# Allegro board AX7021B.brd (continued)
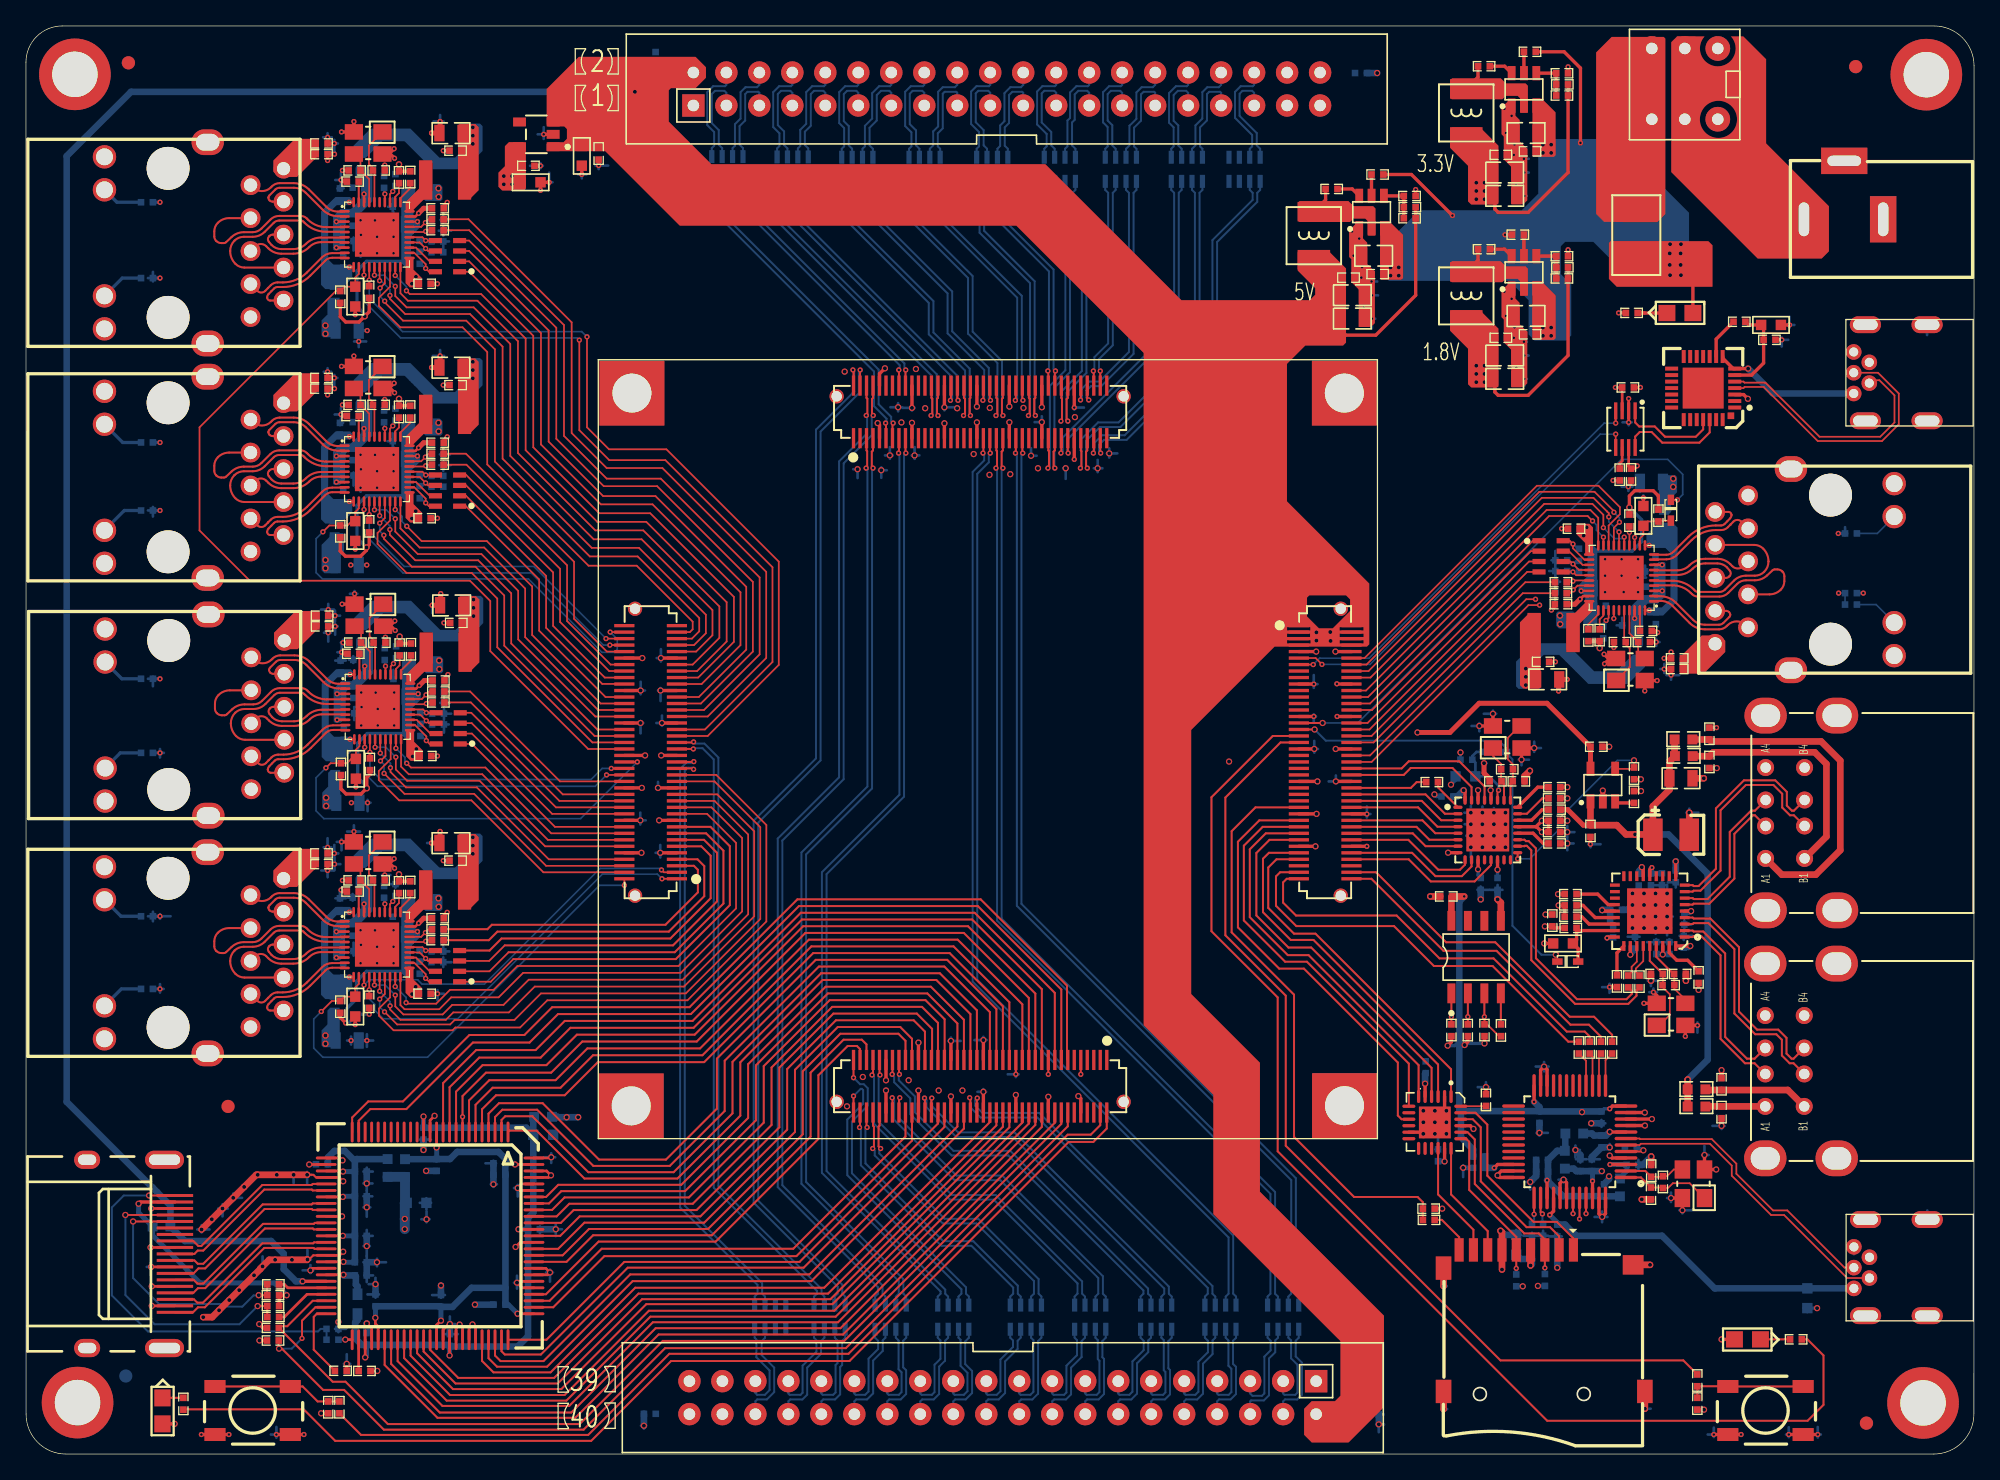
[diagram p0: board, top side]
## Placement (name value [footprint] x y rotation side) (continued)
R1047  4.7K  [R0402]  27.58 43.3 90 bottom
R1048  33R  [R0402]  31.72 40.43 0 top
R1049  33R  [R0402]  31.72 39.58 0 top
R1050  2.49K/1%  [R0402]  25.17 43.33 0 top
R1051  510R  [R0402]  9.32 35.83 0 bottom
R1052  510R  [R0402]  9.32 41.42 0 bottom
R1053  NC  [R0402]  31.68 37.89 180 bottom
R1054  NC  [R0402]  31.68 38.72 180 bottom
R1055  4.7K  [R0402]  29.85 38.76 180 bottom
R1056  4.7K  [R0402]  29.85 37.93 180 bottom
R1057  4.7K  [R0402]  29.86 36.99 180 bottom
R1058  4.7K  [R0402]  31.68 40.37 180 bottom
R1059  4.7K  [R0402]  31.68 39.54 180 bottom
R1060  100K/1%  [R0402]  24.2 34.44 270 top
R1061  4.7K  [R0402]  29.59 43.66 270 top
R1062  4.7K  [R0402]  28.78 61.97 90 top
R1063  4.7K  [R0402]  28.5 61.76 90 bottom
R1064  4.7K  [R0402]  27.63 61.62 90 bottom
R1065  33R  [R0402]  31.77 57.89 0 top
R1066  33R  [R0402]  31.77 58.74 0 top
R1067  2.49K/1%  [R0402]  25.22 61.64 0 top
R1068  510R  [R0402]  9.32 54.01 0 bottom
R1069  510R  [R0402]  9.32 59.71 0 bottom
R1070  NC  [R0402]  31.73 56.2 180 bottom
R1071  NC  [R0402]  31.73 57.03 180 bottom
R1072  4.7K  [R0402]  29.9 57.08 180 bottom
R1073  4.7K  [R0402]  29.9 56.24 180 bottom
R1074  4.7K  [R0402]  29.91 55.31 180 bottom
R1075  4.7K  [R0402]  31.73 58.69 180 bottom
R1076  4.7K  [R0402]  31.73 57.86 180 bottom
R1077  100K/1%  [R0402]  24.25 52.75 270 top
R1078  4.7K  [R0402]  29.64 61.97 270 top
R1079  1.5K  [R0402]  26.48 53.13 270 top
R1080  4.7K  [R0402]  28.72 80.29 90 top
R1081  4.7K  [R0402]  28.45 80.07 90 bottom
R1082  4.7K  [R0402]  27.58 79.93 90 bottom
R1083  33R  [R0402]  31.72 76.21 0 top
R1084  33R  [R0402]  31.72 77.05 0 top
R1085  2.49K/1%  [R0402]  25.17 79.95 0 top
R1086  510R  [R0402]  9.32 72.68 0 bottom
R1087  510R  [R0402]  9.32 77.92 0 bottom
R1088  NC  [R0402]  31.68 74.51 180 bottom
R1089  NC  [R0402]  31.68 75.34 180 bottom
R1090  4.7K  [R0402]  29.85 75.39 180 bottom
R1091  4.7K  [R0402]  29.85 74.56 180 bottom
R1092  4.7K  [R0402]  29.86 73.62 180 bottom
R1093  4.7K  [R0402]  31.68 77 180 bottom
R1094  4.7K  [R0402]  31.68 76.17 180 bottom
R1095  100K/1%  [R0402]  24.2 71.07 270 top
R1096  4.7K  [R0402]  29.59 80.29 270 top
R1097  1.5K  [R0402]  26.43 71.45 270 top
R1098  4.7K  [R0402]  28.72 98.35 90 top
R1099  4.7K  [R0402]  28.45 98.13 90 bottom
R1100  4.7K  [R0402]  27.58 97.99 90 bottom
R1101  33R  [R0402]  31.72 95.11 0 top
R1102  33R  [R0402]  31.72 94.27 0 top
R1103  2.49K/1%  [R0402]  25.17 98.01 0 top
R1104  510R  [R0402]  9.32 90.58 0 bottom
R1105  510R  [R0402]  9.32 96.42 0 bottom
R1106  NC  [R0402]  31.68 93.4 180 bottom
R1107  NC  [R0402]  31.68 92.57 180 bottom
R1108  4.7K  [R0402]  29.85 92.62 180 bottom
R1109  4.7K  [R0402]  29.85 93.45 180 bottom
R1110  4.7K  [R0402]  29.86 91.68 180 bottom
R1111  4.7K  [R0402]  31.68 95.06 180 bottom
R1112  4.7K  [R0402]  31.68 94.23 180 bottom
R1113  100K/1%  [R0402]  24.2 89.13 270 top
R1114  1.5K  [R0402]  26.43 89.51 270 top
R1115  4.7K  [R0402]  29.59 98.35 270 top
RN1  33R  [RN-8P]  95.61 11.47 270 bottom
RN2  33R  [RN-8P]  55.21 98.08 90 bottom
RN3  33R  [RN-8P]  90.78 11.47 270 bottom
RN4  33R  [RN-8P]  60.24 98.05 90 bottom
RN5  33R  [RN-8P]  85.83 11.47 270 bottom
RN6  33R  [RN-8P]  65.22 98.03 90 bottom
RN7  33R  [RN-8P]  80.75 11.47 270 bottom
RN8  33R  [RN-8P]  70.4 98.03 90 bottom
RN9  33R  [RN-8P]  75.8 11.47 270 bottom
RN10  33R  [RN-8P]  75.61 98.03 90 bottom
RN11  33R  [RN-8P]  70.21 11.47 270 bottom
RN12  33R  [RN-8P]  80.81 98.03 90 bottom
RN13  33R  [RN-8P]  65.38 11.47 270 bottom
RN14  33R  [RN-8P]  85.51 98.03 90 bottom
RN15  33R  [RN-8P]  60.68 11.47 270 bottom
RN16  33R  [RN-8P]  90.59 98.03 90 bottom
RN17  33R  [RN-8P]  56.11 11.47 270 bottom
RN18  33R  [RN-8P]  95.04 98.03 90 bottom
RN19  33R  [RN-8P]  116.51 70.35 0 top
RN20  33R  [RN-8P]  33.39 36.38 180 top
RN21  33R  [RN-8P]  33.44 54.7 180 top
RN22  33R  [RN-8P]  33.39 73.01 180 top
RN23  33R  [RN-8P]  33.39 91.07 180 top
SW1  SW  [KEY_DPDT]  130.28 108.27 270 top
TP2  NC  [MARK]  111.73 98.91 90 top
TP3  NC  [MARK]  111.73 84.82 90 top
TP4  NC  [MARK]  100 89.45 90 top
U1  FT232HL  [LQFP-48]  118.88 24.05 90 top
U2  93LC56BISN  [SO8]  109.76 35.48 90 top
U3  CP2102-GM  [QFN-28]  129.15 82.11 180 top
U4  TXS0102DCU  [VSSOP8]  123.17 78.94 180 top
U5  TXS02612RTWR  [WQFN-24_EP]  108.49 25.54 270 top
U6  JL2121-N040I  [QFN40-5X5]  125.37 69.99 180 top
U7  -  [USB3320C]  112.57 48.07 0 top
U8  TPS2051BDBV  [SOT23-5]  121.43 51.53 0 top
U9  SiI9134  [QFP-100]  31.12 16.8 270 top
U10  JL2121-N040I  [QFN40-5X5]  24.53 36.74 0 top
U11  JL2121-N040I  [QFN40-5X5]  24.58 55.05 0 top
U12  JL2121-N040I  [QFN40-5X5]  24.53 73.37 0 top
U13  JL2121-N040I  [QFN40-5X5]  24.53 91.43 0 top
U18  USB2514  [QFN-37]  125.04 41.82 90 top
U19  SPX3819M5-3-3  [SOT-23-5]  39.3 101.65 90 top
U20  ETA1471FT2G  [SOT23-6]  103.62 95.66 0 top
U53  ETA1471FT2G  [SOT23-6]  115.35 91.02 0 top
U54  ETA1471FT2G  [SOT23-6]  115.35 105.11 0 top
Y1  12MHZ  [OSC3225]  128.4 20.82 90 top
Y3  24MHZ  [OSC3225]  114.06 55.23 0 top
Y4  25MHZ  [OSC3225]  26.35 46.3 180 top
Y8  24MHZ  [OSC3225]  126.68 33.87 0 top
Y9  25MHZ  [OSC3225]  123.55 60.43 0 top
Y10  25MHZ  [OSC3225]  26.4 64.62 180 top
Y11  25MHZ  [OSC3225]  26.35 82.93 180 top
Y12  25MHZ  [OSC3225]  26.35 100.99 180 top

## Library data of the parts
C1-C5 C8-C17 C22-C25 C52-C62 C64 C65 C81 C186-C193 C221-C244 C615-C619 C621-C625 C627-C631 C675 C676 C1483-C1510 C1513-C1527 C1530-C1544 C1547-C1561 = CAP NP
C63 = CAP POL
C66-C80 C620 C626 C632 C670-C672 = C_1
C673 C674 C1511 C1512 C1528 C1529 C1545 C1546 C1562 C1563 = CAP_3
CN1 = AJ243_0
CON1 = CON40X2_0_0
CON2 = CON40X2_0_1
CON3 = CON40X2_0_2
CON4 = CON40X2_0_3
D2 D3 D35 = BZX84C36/SOT_0
F1 = FUSE/SM
F2 = FUSE
H1-H4 HOLE1-HOLE4 = TEST POINT
J1 J2 = USB_B_3
J3 = Micro SD_1
J4 J10-J13 = GE_RJ45_2
J5 J6 = DUAL USB
J9 = HDMI Connector_0
J15 J16 = HEADER 20x2/M
KEY1 KEY2 = Button_0
L1-L3 L7-L9 L26 L27 L29 L30 L62-L81 = INDUCTOR
L39-L41 = CHOKE RF-IRON_0
LED1 LED2 = LN211WP
LED9 = LED
R3-R12 R16-R20 R36-R42 R119 R121 R123 R129 R131 R133 R137 R150-R159 R162-R164 R316 R317 R319 R320 R323 R324 R1025-R1043 R1045-R1115 = RESISTOR
R43-R54 = R_0
R160 = RESISTOR_0
R318 R325 R326 = 100K
RN1-RN16 RN18-RN23 = RESARR_IS_4/SM
RN17 = RESARR_IS_4/SM: signal model: RESARR_IS_4/SM_RN-8P_33R_33R
SW1 = SW KEY-DPDT
TP2-TP4 = TP
U1 = FT232HL_0
U2 = 93LC56BISN_0
U3 = CP2102_2
U4 = TXS0102DCU_1
U5 = TXS02612RTWR_0
U6 U10-U13 = JL2121D-N040I_0
U7 = USB3320C-EZK_6
U8 = TPS2051BDBV
U9 = SiI9134_0
U18 = USB2514_0
U19 = SPX3819M5-2-5
U20 U53 U54 = ETA1471FT2G
Y1 Y3 Y4 Y8-Y12 = X3_0

## Footprints (pads in the part's own frame, mm; a bottom-side part is the same pattern mirrored in y, then rotated)
AXK680337YG
  rect 0.25x1.55 smd: 1(-9.75,-2.025) 2(-9.75,2.025) 3(-9.25,-2.025) 4(-9.25,2.025) 5(-8.75,-2.025) 6(-8.75,2.025) 7(-8.25,-2.025) 8(-8.25,2.025) 9(-7.75,-2.025) 10(-7.75,2.025) 11(-7.25,-2.025) 12(-7.25,2.025) 13(-6.75,-2.025) 14(-6.75,2.025) 15(-6.25,-2.025) 16(-6.25,2.025) 17(-5.75,-2.025) 18(-5.75,2.025) 19(-5.25,-2.025) 20(-5.25,2.025) 21(-4.75,-2.025) 22(-4.75,2.025) 23(-4.25,-2.025) 24(-4.25,2.025) 25(-3.75,-2.025) 26(-3.75,2.025) 27(-3.25,-2.025) 28(-3.25,2.025) 29(-2.75,-2.025) 30(-2.75,2.025) 31(-2.25,-2.025) 32(-2.25,2.025) 33(-1.75,-2.025) 34(-1.75,2.025) 35(-1.25,-2.025) 36(-1.25,2.025) 37(-0.75,-2.025) 38(-0.75,2.025) 39(-0.25,-2.025) 40(-0.25,2.025) 41(0.25,-2.025) 42(0.25,2.025) 43(0.75,-2.025) 44(0.75,2.025) 45(1.25,-2.025) 46(1.25,2.025) 47(1.75,-2.025) 48(1.75,2.025) 49(2.25,-2.025) 50(2.25,2.025) 51(2.75,-2.025) 52(2.75,2.025) 53(3.25,-2.025) 54(3.25,2.025) 55(3.75,-2.025) 56(3.75,2.025) 57(4.25,-2.025) 58(4.25,2.025) 59(4.75,-2.025) 60(4.75,2.025) 61(5.25,-2.025) 62(5.25,2.025) 63(5.75,-2.025) 64(5.75,2.025) 65(6.25,-2.025) 66(6.25,2.025) 67(6.75,-2.025) 68(6.75,2.025) 69(7.25,-2.025) 70(7.25,2.025) 71(7.75,-2.025) 72(7.75,2.025) 73(8.25,-2.025) 74(8.25,2.025) 75(8.75,-2.025) 76(8.75,2.025) 77(9.25,-2.025) 78(9.25,2.025) 79(9.75,-2.025) 80(9.75,2.025)
  round 1.1 hole 0.8: 81(-11.05,1.2) 82(11.05,1.2)
C0402
  rect 0.508x0.508 smd: 1(-0.457,0) 2(0.457,0)
C0603
  rect 0.8x0.8 smd: 1(-0.762,0) 2(0.762,0)
C0805
  rect 0.787x1.27 smd: 1(-0.889,0) 2(0.889,0)
CN1-DCJACK
  rect 3.556x2.032 hole 2.6x0.8: 1(0,0) 3(0,6.1)
  rect 2.032x3.556 hole 0.8x2.6: 2(4.5,2.997)
DUAL_USB
  round 1.308 hole 0.8: A1(-3.5,2.75) A2(-1,2.75) A3(1,2.75) A4(3.5,2.75) B1(-3.5,-0.25) B2(-1,-0.25) B3(1,-0.25) B4(3.5,-0.25)
  oval 2.754x3.262 hole 1.738x2.246: S1(-7.5,2.75) S2(-7.5,-2.75) S3(7.5,2.75) S4(7.5,-2.75)
FPAD_1
  rect 5x5 hole 3: 1(0,0)
FUSE_1812
  rect 1.829x3.251 smd: 1(-1.93,0) 2(1.93,0)
GE_RJ45
  round 3.3 hole 3.3 unplated: (0,11.48) (0,0)
  round 1.8 hole 1.3: 11(4.9,-0.885) 12(4.9,1.655) 13(4.9,9.825) 14(4.9,12.365)
  oval 2.489x1.981 hole 1.8x1.292: 15(-3.05,-2.01) 16(-3.05,13.49)
  round 1.524 hole 1.016: P1(-8.89,0.025) P2(-6.35,1.295) P3(-8.89,2.565) P4(-6.35,3.835) P5(-8.89,5.105) P6(-6.35,6.375) P7(-8.89,7.645) P8(-6.35,8.915) P9(-8.89,10.185) P10(-6.35,11.455)
HDMI_A_TYPE
  rect 2.8x0.229 smd: 1(-1.15,-12) 2(-1.15,-11.5) 3(-1.15,-11) 4(-1.15,-10.5) 5(-1.15,-10) 6(-1.15,-9.5) 7(-1.15,-9) 8(-1.15,-8.5) 9(-1.15,-8) 10(-1.15,-7.5) 11(-1.15,-7) 12(-1.15,-6.5) 13(-1.15,-6) 14(-1.15,-5.5) 15(-1.15,-5) 16(-1.15,-4.5) 17(-1.15,-4) 18(-1.15,-3.5) 19(-1.15,-3)
  oval 3x1.4 hole 2.4x0.8: 20(-1.95,-14.75) 21(-1.95,-0.25)
  oval 2x1.4 hole 1.4x0.8: 22(-7.91,-14.75) 23(-7.91,-0.25)
HOLE
  round 5.516 hole 3.5: 1(0,0)
IDC-40J
  rect 1.727x1.727 hole 0.889: 1(-24.13,-1.27)
  round 1.727 hole 0.889: 2(-24.13,1.27) 3(-21.59,-1.27) 4(-21.59,1.27) 5(-19.05,-1.27) 6(-19.05,1.27) 7(-16.51,-1.27) 8(-16.51,1.27) 9(-13.97,-1.27) 10(-13.97,1.27) 11(-11.43,-1.27) 12(-11.43,1.27) 13(-8.89,-1.27) 14(-8.89,1.27) 15(-6.35,-1.27) 16(-6.35,1.27) 17(-3.81,-1.27) 18(-3.81,1.27) 19(-1.27,-1.27) 20(-1.27,1.27) 21(1.27,-1.27) 22(1.27,1.27) 23(3.81,-1.27) 24(3.81,1.27) 25(6.35,-1.27) 26(6.35,1.27) 27(8.89,-1.27) 28(8.89,1.27) 29(11.43,-1.27) 30(11.43,1.27) 31(13.97,-1.27) 32(13.97,1.27) 33(16.51,-1.27) 34(16.51,1.27) 35(19.05,-1.27) 36(19.05,1.27) 37(21.59,-1.27) 38(21.59,1.27) 39(24.13,-1.27) 40(24.13,1.27)
KEY_4X4X1_5
  rect 1.626x1 smd: 1(-2.9,1.85) 2(2.9,1.85) 3(-2.9,-1.85) 4(2.9,-1.85)
KEY_DPDT
  round 1.905 hole 0.889: 1(0,0) 2(0,-2.54) 3(0,-5.08) 4(5.45,0) 5(5.45,-2.54) 6(5.45,-5.08)
L4_4X4_2
  rect 2.5x1.5 smd: 1(0,1.85) 2(0,-1.85)
L0603
  rect 0.762x0.762 smd: 1(-0.686,0) 2(0.686,0)
LED0805
  rect 1.25x1.3 smd: 1(0,1) 2(0,-1)
LQFP-48
  oval 0.254x1.753 smd: 1(-2.75,-4.327) 2(-2.25,-4.327) 3(-1.75,-4.327) 4(-1.25,-4.327) 5(-0.75,-4.327) 6(-0.25,-4.327) 7(0.25,-4.327) 8(0.75,-4.327) 9(1.25,-4.327) 10(1.75,-4.327) 11(2.25,-4.327) 12(2.75,-4.327) 25(2.75,4.327) 26(2.25,4.327) 27(1.75,4.327) 28(1.25,4.327) 29(0.75,4.327) 30(0.25,4.327) 31(-0.25,4.327) 32(-0.75,4.327) 33(-1.25,4.327) 34(-1.75,4.327) 35(-2.25,4.327) 36(-2.75,4.327)
  oval 1.753x0.254 smd: 13(4.327,-2.75) 14(4.327,-2.25) 15(4.327,-1.75) 16(4.327,-1.25) 17(4.327,-0.75) 18(4.327,-0.25) 19(4.327,0.25) 20(4.327,0.75) 21(4.327,1.25) 22(4.327,1.75) 23(4.327,2.25) 24(4.327,2.75) 37(-4.327,2.75) 38(-4.327,2.25) 39(-4.327,1.75) 40(-4.327,1.25) 41(-4.327,0.75) 42(-4.327,0.25) 43(-4.327,-0.25) 44(-4.327,-0.75) 45(-4.327,-1.25) 46(-4.327,-1.75) 47(-4.327,-2.25) 48(-4.327,-2.75)
LVS303010
  rect 3.023x1.016 smd: 1(0,-0.5) 2(0,2.5)
MARK
  round 1 smd: 1(0,0)
MICRO_SD
  rect 0.7x1.8 smd: 1(0,0) 2(-1.1,0) 3(-2.2,0) 4(-3.3,0) 5(-4.4,0) 6(-5.5,0) 7(-6.6,0) 8(-7.7,0) 9(-8.8,0)
  rect 1.6x1.5 smd: 10(4.6,-1.15)
  rect 1.2x1.8 smd: 11(-10,-1.4) 12(-10,-10.9) 13(5.5,-10.9)
MINI_USB_DIP
  round 1.2 hole 0.7: 1(-1.6,0.9) 2(-0.8,-0.3) 3(0,0.9) 4(0.8,-0.3) 5(1.6,0.9)
  oval 1.3x2.4 hole 0.8x1.9: 6(-3.7,0) 7(3.7,0) 8(-3.7,-4.75) 9(3.7,-4.75)
OSC3225
  rect 1.397x1.194 smd: 1(-1.1,-0.85) 2(1.1,-0.85) 3(1.1,0.85) 4(-1.1,0.85)
QFN40-5X5
  oval 0.8x0.2 smd: 1(0,4.3) 2(0,3.9) 3(0,3.5) 4(0,3.1) 5(0,2.7) 6(0,2.3) 7(0,1.9) 8(0,1.5) 9(0,1.1) 10(0,0.7) 21(5,0.7) 22(5,1.1) 23(5,1.5) 24(5,1.9) 25(5,2.3) 26(5,2.7) 27(5,3.1) 28(5,3.5) 29(5,3.9) 30(5,4.3)
  oval 0.2x0.8 smd: 11(0.7,0) 12(1.1,0) 13(1.5,0) 14(1.9,0) 15(2.3,0) 16(2.7,0) 17(3.1,0) 18(3.5,0) 19(3.9,0) 20(4.3,0) 31(4.3,5) 32(3.9,5) 33(3.5,5) 34(3.1,5) 35(2.7,5) 36(2.3,5) 37(1.9,5) 38(1.5,5) 39(1.1,5) 40(0.7,5)
  rect 3.4x3.4 smd: 41(2.5,2.5)
QFN-28
  rect 1x0.3 smd: 1(-2.43,1.5) 2(-2.43,1) 3(-2.43,0.5) 4(-2.43,0) 5(-2.43,-0.5) 6(-2.43,-1) 7(-2.43,-1.5) 15(2.43,-1.5) 16(2.43,-1) 17(2.43,-0.5) 18(2.43,0) 19(2.43,0.5) 20(2.43,1) 21(2.43,1.5)
  rect 0.3x1 smd: 8(-1.5,-2.43) 9(-1,-2.43) 10(-0.5,-2.43) 11(0,-2.43) 12(0.5,-2.43) 13(1,-2.43) 14(1.5,-2.43) 22(1.5,2.43) 23(1,2.43) 24(0.5,2.43) 25(0,2.43) 26(-0.5,2.43) 27(-1,2.43) 28(-1.5,2.43)
  rect 3.15x3.15 smd: 29(0,0)
  rect 0.508x0.508 smd: 30(-2.134,2.134)
QFN-37
  rect 0.25x0.754 smd: 1(-2,-2.688) 2(-1.5,-2.688) 3(-1,-2.688) 4(-0.5,-2.688) 5(0,-2.688) 6(0.5,-2.688) 7(1,-2.688) 8(1.5,-2.688) 9(2,-2.688) 19(2,2.688) 20(1.5,2.688) 21(1,2.688) 22(0.5,2.688) 23(0,2.688) 24(-0.5,2.688) 25(-1,2.688) 26(-1.5,2.688) 27(-2,2.688)
  rect 0.754x0.25 smd: 10(2.688,-2) 11(2.688,-1.5) 12(2.688,-1) 13(2.688,-0.5) 14(2.688,0) 15(2.688,0.5) 16(2.688,1) 17(2.688,1.5) 18(2.688,2) 28(-2.688,2) 29(-2.688,1.5) 30(-2.688,1) 31(-2.688,0.5) 32(-2.688,0) 33(-2.688,-0.5) 34(-2.688,-1) 35(-2.688,-1.5) 36(-2.688,-2)
  rect 3.5x3.5 smd: 37(0,0)
QFP-100
  oval 1.6x0.22 smd: 1(-8,6) 2(-8,5.5) 3(-8,5) 4(-8,4.5) 5(-8,4) 6(-8,3.5) 7(-8,3) 8(-8,2.5) 9(-8,2) 10(-8,1.5) 11(-8,1) 12(-8,0.5) 13(-8,0) 14(-8,-0.5) 15(-8,-1) 16(-8,-1.5) 17(-8,-2) 18(-8,-2.5) 19(-8,-3) 20(-8,-3.5) 21(-8,-4) 22(-8,-4.5) 23(-8,-5) 24(-8,-5.5) 25(-8,-6) 51(8,-6) 52(8,-5.5) 53(8,-5) 54(8,-4.5) 55(8,-4) 56(8,-3.5) 57(8,-3) 58(8,-2.5) 59(8,-2) 60(8,-1.5) 61(8,-1) 62(8,-0.5) 63(8,0) 64(8,0.5) 65(8,1) 66(8,1.5) 67(8,2) 68(8,2.5) 69(8,3) 70(8,3.5) 71(8,4) 72(8,4.5) 73(8,5) 74(8,5.5) 75(8,6)
  oval 0.22x1.6 smd: 26(-6,-8) 27(-5.5,-8) 28(-5,-8) 29(-4.5,-8) 30(-4,-8) 31(-3.5,-8) 32(-3,-8) 33(-2.5,-8) 34(-2,-8) 35(-1.5,-8) 36(-1,-8) 37(-0.5,-8) 38(0,-8) 39(0.5,-8) 40(1,-8) 41(1.5,-8) 42(2,-8) 43(2.5,-8) 44(3,-8) 45(3.5,-8) 46(4,-8) 47(4.5,-8) 48(5,-8) 49(5.5,-8) 50(6,-8) 76(6,8) 77(5.5,8) 78(5,8) 79(4.5,8) 80(4,8) 81(3.5,8) 82(3,8) 83(2.5,8) 84(2,8) 85(1.5,8) 86(1,8) 87(0.5,8) 88(0,8) 89(-0.5,8) 90(-1,8) 91(-1.5,8) 92(-2,8) 93(-2.5,8) 94(-3,8) 95(-3.5,8) 96(-4,8) 97(-4.5,8) 98(-5,8) 99(-5.5,8) 100(-6,8)
R0402
  rect 0.508x0.508 smd: 1(-0.457,0) 2(0.457,0)
R0603
  rect 0.889x0.762 smd: 1(-0.762,0) 2(0.762,0)
RN-8P
  rect 1x0.4 smd: 1(0,0) 2(0,-0.8) 3(0,-1.6) 4(0,-2.4) 5(1.858,-2.4) 6(1.858,-1.6) 7(1.858,-0.8) 8(1.858,0)
SO8
  rect 1.524x0.61 smd: 1(0,0) 2(0,-1.27) 3(0,-2.54) 4(0,-3.81) 5(5.588,-3.81) 6(5.588,-2.54) 7(5.588,-1.27) 8(5.588,0)
SOD-523
  rect 0.5x0.8 smd: 1(0,-0.8) 2(0,0.8)
SOT23-5
  rect 0.6x1.1 smd: 1(-0.95,-1.25) 2(0,-1.25) 3(0.95,-1.25) 4(0.95,1.25) 5(-0.95,1.25)
SOT23-6
  rect 0.6x1.1 smd: 1(-0.95,-1.25) 2(0,-1.25) 3(0.95,-1.25) 4(0.95,1.25) 5(0,1.25) 6(-0.95,1.25)
SOT-23-5
  rect 0.686x0.991 smd: 1(-0.95,-1.295) 2(0,-1.295) 3(0.95,-1.295) 4(0.95,1.295) 5(-0.95,1.295)
TAN-SMB
  rect 1.5x2.5 smd: 1(1.4,0) 2(-1.4,0)
unnamed#2
  round 1.016 smd: 1(0,0)
USB3320C
  oval 0.711x0.254 smd: 1(-2.3,1.75) 2(-2.3,1.25) 3(-2.3,0.75) 4(-2.3,0.25) 5(-2.3,-0.25) 6(-2.3,-0.75) 7(-2.3,-1.25) 8(-2.3,-1.75) 17(2.3,-1.75) 18(2.3,-1.25) 19(2.3,-0.75) 20(2.3,-0.25) 21(2.3,0.25) 22(2.3,0.75) 23(2.3,1.25) 24(2.3,1.75)
  oval 0.254x0.711 smd: 9(-1.75,-2.3) 10(-1.25,-2.3) 11(-0.75,-2.3) 12(-0.25,-2.3) 13(0.25,-2.3) 14(0.75,-2.3) 15(1.25,-2.3) 16(1.75,-2.3) 25(1.75,2.3) 26(1.25,2.3) 27(0.75,2.3) 28(0.25,2.3) 29(-0.25,2.3) 30(-0.75,2.3) 31(-1.25,2.3) 32(-1.75,2.3)
  rect 3.3x3.3 smd: 33(0,0)
VSSOP8
  rect 0.254x1.295 smd: 1(-0.75,-1.412) 2(-0.25,-1.412) 3(0.25,-1.412) 4(0.75,-1.412) 5(0.75,1.412) 6(0.25,1.412) 7(-0.25,1.412) 8(-0.75,1.412)
WQFN-24_EP
  oval 1x0.25 smd: 1(-2,1.25) 2(-2,0.75) 3(-2,0.25) 4(-2,-0.25) 5(-2,-0.75) 6(-2,-1.25) 13(2,-1.25) 14(2,-0.75) 15(2,-0.25) 16(2,0.25) 17(2,0.75) 18(2,1.25)
  oval 0.25x1 smd: 7(-1.25,-2) 8(-0.75,-2) 9(-0.25,-2) 10(0.25,-2) 11(0.75,-2) 12(1.25,-2) 19(1.25,2) 20(0.75,2) 21(0.25,2) 22(-0.25,2) 23(-0.75,2) 24(-1.25,2)
  rect 2.45x2.45 smd: 25(0,0)

## Nets
GND: C1.2 C2.2 C3.1 C4.1 C5.2 C8.2 C9.2 C10.2 C11.2 C12.2 C13.2 C14.2 C15.2 C16.2 C17.2 C22.2 C23.2 C24.2 C25.2 C52.2 C53.2 C54.2 C55.2 C56.2 C57.2 C58.1 C59.1 C60.1 C61.2 C62.2 C63.2 C64.2 C65.2 C66.2 C67.2 C68.2 C69.2 C70.2 C71.2 C72.2 C73.2 C74.2 C75.2 C76.1 C77.2 C78.2 C79.2 C80.2 C81.2 C186.2 C187.2 C188.2 C189.2 C190.2 C191.2 C192.2 C193.2 C221.2 C222.2 C223.2 C224.2 C225.2 C226.2 C227.2 C228.2 C229.2 C230.2 C231.2 C232.2 C233.2 C234.1 C235.1 C236.2 C237.2 C238.2 C239.2 C240.2 C241.2 C242.2 C243.1 C244.1 C615.2 C617.2 C619.2 C620.2 C621.2 C623.2 C625.2 C626.2 C627.2 C630.2 C631.2 C632.2 C670.2 C671.2 C672.2 C673.2 C674.2 C675.2 C676.2 C1483.2 C1484.2 C1485.2 C1486.2 C1487.2 C1488.2 C1489.2 C1490.2 C1491.2 C1492.2 C1493.2 C1494.2 C1495.2 C1496.2 C1497.2 C1498.2 C1499.2 C1500.2 C1501.2 C1502.2 C1503.2 C1504.2 C1505.2 C1506.2 C1507.2 C1508.2 C1509.2 C1510.2 C1511.2 C1512.2 C1513.2 C1514.2 C1515.2 C1516.2 C1517.2 C1518.2 C1519.2 C1520.2 C1521.2 C1522.2 C1523.2 C1524.2 C1525.2 C1526.2 C1527.2 C1528.2 C1529.2 C1530.2 C1531.2 C1532.2 C1533.2 C1534.2 C1535.2 C1536.2 C1537.2 C1538.2 C1539.2 C1540.2 C1541.2 C1542.2 C1543.2 C1544.2 C1545.2 C1546.2 C1547.2 C1548.2 C1549.2 C1550.2 C1551.2 C1552.2 C1553.2 C1554.2 C1555.2 C1556.2 C1557.2 C1558.2 C1559.2 C1560.2 C1561.2 C1562.2 C1563.2 CN1.1 CN1.2 CON1.9 CON1.10 CON1.19 CON1.20 CON1.29 CON1.30 CON1.39 CON1.40 CON1.49 CON1.50 CON1.59 CON1.60 CON1.69 CON1.70 CON2.9 CON2.10 CON2.19 CON2.20 CON2.29 CON2.30 CON2.39 CON2.40 CON2.49 CON2.50 CON2.59 CON2.60 CON2.69 CON2.70 CON3.9 CON3.10 CON3.19 CON3.20 CON3.29 CON3.30 CON3.39 CON3.40 CON3.49 CON3.50 CON3.59 CON3.60 CON3.69 CON3.70 CON4.9 CON4.10 CON4.19 CON4.20 CON4.29 CON4.30 CON4.39 CON4.40 CON4.49 CON4.50 CON4.59 CON4.60 CON4.69 CON4.70 H1.1 H2.1 H3.1 H4.1 HOLE1.1 HOLE2.1 HOLE3.1 HOLE4.1 J1.5(GND) J1.6(SH1) J1.7(SH2) J1.8(SH3) J1.9(SH4) J2.5(GND) J2.6(SH1) J2.7(SH2) J2.8(SH3) J2.9(SH4) J3.6(VSS) J3.10(GND#10) J3.11(GND#11) J3.12(GND#12) J3.13(GND#13) J4.15(M1) J4.16(M2) J4.P10(CASE) J5.A4(GND1) J5.B4(GND2) J5.S1(SH1) J5.S2(SH2) J5.S3(SH3) J5.S4(SH4) J6.A4(GND1) J6.B4(GND2) J6.S1(SH1) J6.S2(SH2) J6.S3(SH3) J6.S4(SH4) J9.2(D2 SHIELD) J9.5(D1 SHIELD) J9.8(D0 SHIELD) J9.11(CK SHIELD) J9.17(GND) J9.20(SHELL1) J9.21(SHELL2) J9.22(SHELL3) J9.23(SHELL4) J10.15(M1) J10.16(M2) J10.P10(CASE) J11.15(M1) J11.16(M2) J11.P10(CASE) J12.15(M1) J12.16(M2) J12.P10(CASE) J13.15(M1) J13.16(M2) J13.P10(CASE) J15.1 J15.37 J15.38 J16.1 J16.37 J16.38 KEY1.1(P1) KEY1.2(P2) KEY2.1(P1) KEY2.2(P2) R8.1 R18.1 R39.1 R42.1 R46.2 R50.2 R52.2 R137.1 R152.1 R154.1 R155.1 R156.1 R158.1 R162.2 R316.2 R319.2 R323.2 R1030.2 R1033.1 R1034.2 R1036.1 R1037.1 R1041.1 R1042.1 R1046.2 R1047.2 R1050.1 R1051.2 R1052.2 R1053.1 R1054.1 R1058.1 R1059.1 R1063.2 R1064.2 R1067.1 R1068.2 R1069.2 R1070.1 R1071.1 R1075.1 R1076.1 R1081.2 R1082.2 R1085.1 R1086.2 R1087.2 R1088.1 R1089.1 R1093.1 R1094.1 R1099.2 R1100.2 R1103.1 R1104.2 R1105.2 R1106.1 R1107.1 R1111.1 R1112.1 U1.4(AGND1) U1.9(AGND2) U1.10(GND1) U1.11(GND2) U1.22(GND3) U1.23(GND4) U1.35(GND5) U1.36(GND6) U1.41(AGND3) U1.42(TEST) U1.47(GND7) U1.48(GND8) U2.5(VSS) U3.3(GND) U4.2(GND) U5.2(GND1) U5.11(GND2) U5.25(EPAD) U6.41(EGND) U7.33(GND) U8.2(GND) U9.13(GND#13) U9.26(AGND#26) U9.29(AGND#29) U9.35(AGND#35) U9.41(AGND#41) U9.43(AGND#43) U9.54(GND#54) U9.65(GND#65) U9.67(D27) U9.68(D26) U9.69(D25) U9.70(D24) U9.80(D15) U9.81(D14) U9.82(D13) U9.83(D12) U9.87(GND#87) U9.95(D3) U9.96(D2) U9.97(D1) U9.98(D0) U9.100(GND#100) U10.41(EGND) U11.41(EGND) U12.41(EGND) U13.41(EGND) U18.37(VSS_PAD) U19.2(GND) U20.1(GND) U53.1(GND) U54.1(GND) Y1.2 Y1.4 Y3.2 Y3.4 Y4.2 Y4.4 Y8.2 Y8.4 Y9.2 Y9.4 Y10.2 Y10.4 Y11.2 Y11.4 Y12.2 Y12.4
VBUS1: C237.1 J5.A1(VBUS1) L26.1
VBUS2: C238.1 J5.B1(VBUS2) L29.1
VBUS3: C241.1 J6.A1(VBUS1) L27.1
VBUS4: C242.1 J6.B1(VBUS2) L30.1
VCC1V8: C24.1 C54.1 C55.1 C56.1 C81.1 C623.1 C624.2 C625.1 C626.1 L8.2 L9.2 L40.2 L65.1 R36.2 R320.1 TP3.1 U5.5(VCCA) U7.8(REFSEL0) U7.11(REFSEL1) U7.14(REFSEL2) U7.28(VDD18_2) U7.30(VDD18_1) U7.32(VDDIO)
VCC3V3: C22.1 C23.1 C25.1 C52.1 C53.1 C191.1 C193.1 C223.1 C224.1 C225.1 C226.1 C227.1 C228.1 C229.1 C239.1 C240.1 C629.2 C630.1 C631.1 C632.1 C1489.1 C1494.1 C1498.1 C1503.1 C1521.1 C1526.1 C1538.1 C1543.1 C1555.1 C1560.1 J3.4(VDD) J4.11(LD1_A) J15.39 J15.40 J16.39 J16.40 L7.1 L41.2 L63.1 L67.1 L71.1 L75.1 L79.1 LED1.1(ANODE) LED2.1(ANODE) R16.2 R17.2 R19.2 R41.1 R48.2 R49.2 R119.2 R123.2 R153.2 R160.1 R163.2 R324.1 R1025.1 R1028.2 R1029.2 R1045.2 R1061.1 R1062.2 R1078.1 R1080.2 R1096.1 R1098.2 R1115.1 TP2.1 U4.3(VCCA) U4.7(VCCB) U5.17(VCCB1) U5.21(VCCB0) U6.29(DVDD3V3) U7.21(VBAT) U10.29(DVDD3V3) U11.29(DVDD3V3) U12.29(DVDD3V3) U13.29(DVDD3V3) U18.5(VDD33_1) U18.10(VDD33_2) U18.15(VDD33_3) U18.23(VDD33_4) U18.29(VDD33_5) U18.36(VDD33_6)
VCC5V: C61.1 C186.1 C189.1 C190.1 C192.1 C617.1 C618.2 C619.1 C620.1 CON1.1 CON1.2 CON1.3 CON1.4 CON1.5 CON1.6 CON1.7 CON1.8 F1.1 J15.2 J16.2 L39.2 R317.1 TP4.1 U8.5(IN) U9.45(DDCPWR5V) U19.1(VIN) U19.3(EN)
VCC12V: C615.1 C621.1 C627.1 C670.1 C671.1 C672.1 F2.2 LED9.1(ANODE) R318.1 R325.1 R326.1 U20.3(VIN) U53.3(VIN) U54.3(VIN)
9134_CLK: CON4.57 U9.88(IDCK)
9134_D0: CON4.45 U9.94(D4)
9134_D1: CON4.47 U9.93(D5)
9134_D2: CON4.51 U9.92(D6)
9134_D3: CON4.53 U9.91(D7)
9134_D4: CON4.55 U9.90(D8)
9134_D5: CON4.61 U9.86(D9)
9134_D6: CON4.63 U9.85(D10)
9134_D7: CON4.75 U9.84(D11)
9134_D8: CON4.77 U9.79(D16)
9134_D9: CON4.64 U9.78(D17)
9134_D10: CON4.62 U9.77(D18)
9134_D11: CON4.54 U9.75(D19)
9134_D12: CON4.52 U9.74(D20)
9134_D13: CON4.48 U9.73(D21)
9134_D14: CON4.46 U9.72(D22)
9134_D15: CON4.38 U9.71(D23)
9134_D16: CON4.36 U9.63(D28)
9134_D17: CON4.34 U9.62(D29)
9134_D18: CON4.32 U9.61(D30)
9134_D19: CON4.28 U9.60(D31)
9134_D20: CON4.26 U9.59(D32)
9134_D21: CON4.24 U9.58(D33)
9134_D22: CON4.22 U9.57(D34)
9134_D23: CON4.18 U9.56(D35)
9134_DE: CON4.43 U9.1(DE)
9134_HS: CON4.41 U9.2(HSYNC)
9134_INT: CON4.15 U9.24(INT)
9134_MCLK: CON4.33 U9.5(MCLK)
9134_NRESET: CON4.13 U9.25(RESET#)
9134_SCK: CON4.17 U9.11(SCK)
9134_SCL: CON4.16 R48.1 U9.48(CSCL)
9134_SD0: CON4.23 U9.9(SD0)
9134_SD1: CON4.25 U9.8(SD1)
9134_SD2: CON4.27 U9.7(SD2)
9134_SD3: CON4.31 U9.6(SD3)
9134_SDA: CON4.14 R49.1 U9.49(CSDA)
9134_SPDIF: CON4.35 U9.4(SPDIF)
9134_VS: CON4.37 U9.3(VSYNC)
9134_WS: CON4.21 U9.10(WS)
+3P3OUTV: C8.1 C12.1 C14.1 L1.1 L2.1 L3.1 U1.39(VCCD)
+3P3V: C9.1 C10.1 C11.1 C16.1 C17.1 L3.2 R7.1 R9.2 R10.2 R11.2 U1.12(VCCIO1) U1.24(VCCIO2) U1.46(VCCIO3) U2.8(VCC)
CEC_A: J9.13(CE REMOTE)
DN1: J5.A2(D1-) U18.1(DN1)
DN2: J5.B2(D2-) U18.3(DN2)
DN3: J6.A2(D1-) U18.6(DN3)
DN4: J6.B2(D2-) U18.8(DN4)
DP1: J5.A3(D1+) U18.2(DP1)
DP2: J5.B3(D2+) U18.4(DP2)
DP3: J6.A3(D1+) U18.7(DP3)
DP4: J6.B3(D2+) U18.9(DP4)
DSCL: J9.15(DDC CLK) R44.2 R53.1
DSDA: J9.16(DDC DATA) R45.2 R54.1
EECLK: R10.1 U1.44(EECLK) U2.2(CLK)
EECS: R9.1 U1.45(EECS) U2.1(CS)
EEDATA: R11.1 R12.1 U1.43(EEDATA) U2.3(DI)
EPAD1: U3.29
EPAD2: U3.30
EX_IO1_1N: J15.3 RN1.6
EX_IO1_1P: J15.4 RN1.5
EX_IO1_2N: J15.5 RN1.8
EX_IO1_2P: J15.6 RN1.7
EX_IO1_3N: J15.7 RN3.6
EX_IO1_3P: J15.8 RN3.5
EX_IO1_4N: J15.9 RN3.8
EX_IO1_4P: J15.10 RN3.7
EX_IO1_5N: J15.11 RN5.6
EX_IO1_5P: J15.12 RN5.5
EX_IO1_6N: J15.13 RN5.8
EX_IO1_6P: J15.14 RN5.7
EX_IO1_7N: J15.15 RN7.6
EX_IO1_7P: J15.16 RN7.5
EX_IO1_8N: J15.17 RN7.8
EX_IO1_8P: J15.18 RN7.7
EX_IO1_9N: J15.19 RN9.6
EX_IO1_9P: J15.20 RN9.5
EX_IO1_10N: J15.21 RN9.8
EX_IO1_10P: J15.22 RN9.7
EX_IO1_11N: J15.23 RN11.6
EX_IO1_11P: J15.24 RN11.5
EX_IO1_12N: J15.25 RN11.8
EX_IO1_12P: J15.26 RN11.7
EX_IO1_13N: J15.27 RN13.6
EX_IO1_13P: J15.28 RN13.5
EX_IO1_14N: J15.29 RN13.8
EX_IO1_14P: J15.30 RN13.7
EX_IO1_15N: J15.31 RN15.6
EX_IO1_15P: J15.32 RN15.5
EX_IO1_16N: J15.33 RN15.8
EX_IO1_16P: J15.34 RN15.7
EX_IO1_17N: J15.35 RN17.8
EX_IO1_17P: J15.36 RN17.7
EX_IO2_1N: J16.3 RN2.6
EX_IO2_1P: J16.4 RN2.5
EX_IO2_2N: J16.5 RN2.8
EX_IO2_2P: J16.6 RN2.7
EX_IO2_3N: J16.7 RN4.6
EX_IO2_3P: J16.8 RN4.5
EX_IO2_4N: J16.9 RN4.8
EX_IO2_4P: J16.10 RN4.7
EX_IO2_5N: J16.11 RN6.6
EX_IO2_5P: J16.12 RN6.5
EX_IO2_6N: J16.13 RN6.8
EX_IO2_6P: J16.14 RN6.7
EX_IO2_7N: J16.15 RN8.6
EX_IO2_7P: J16.16 RN8.5
EX_IO2_8N: J16.17 RN8.8
EX_IO2_8P: J16.18 RN8.7
EX_IO2_9N: J16.19 RN10.6
EX_IO2_9P: J16.20 RN10.5
EX_IO2_10N: J16.21 RN10.8
EX_IO2_10P: J16.22 RN10.7
EX_IO2_11N: J16.23 RN12.6
EX_IO2_11P: J16.24 RN12.5
EX_IO2_12N: J16.25 RN12.8
EX_IO2_12P: J16.26 RN12.7
EX_IO2_13N: J16.27 RN14.6
EX_IO2_13P: J16.28 RN14.5
EX_IO2_14N: J16.29 RN14.8
EX_IO2_14P: J16.30 RN14.7
EX_IO2_15N: J16.31 RN16.6
EX_IO2_15P: J16.32 RN16.5
EX_IO2_16N: J16.33 RN16.8
EX_IO2_16P: J16.34 RN16.7
EX_IO2_17N: J16.35 RN18.8
EX_IO2_17P: J16.36 RN18.7
FPGA_TCK: CON1.78 R3.1
FPGA_TDI: CON1.80 R4.1
FPGA_TDO: CON1.79 R5.1
FPGA_TMS: CON1.77 R6.1
HDMI-VCC1: F1.2 J9.18(+5V) R53.2 R54.2
HP_DET: J9.19(HP DET) R47.2 R52.1
IO1_1N: CON2.51 RN1.3
IO1_1P: CON2.53 RN1.4
IO1_2N: CON2.45 RN1.1
IO1_2P: CON2.47 RN1.2
IO1_3N: CON2.41 RN3.3
IO1_3P: CON2.43 RN3.4
IO1_4N: CON4.44 RN3.1
IO1_4P: CON4.42 RN3.2
IO1_5N: CON4.58 RN5.3
IO1_5P: CON4.56 RN5.4
IO1_6N: CON4.67 RN5.1
IO1_6P: CON4.65 RN5.2
IO1_7N: CON4.68 RN7.3
IO1_7P: CON4.66 RN7.4
IO1_8N: CON4.73 RN7.1
IO1_8P: CON4.71 RN7.2
IO1_9N: CON4.74 RN9.3
IO1_9P: CON4.72 RN9.4
IO1_10N: CON4.78 RN9.1
IO1_10P: CON4.76 RN9.2
IO1_11N: CON4.80 RN11.3
IO1_11P: CON4.79 RN11.4
IO1_12N: CON2.15 RN11.1
IO1_12P: CON2.17 RN11.2
IO1_13N: CON2.5 RN13.3
IO1_13P: CON2.7 RN13.4
IO1_14N: CON2.6 RN13.1
IO1_14P: CON2.8 RN13.2
IO1_15N: CON2.2 RN15.3
IO1_15P: CON2.4 RN15.4
IO1_16N: CON3.41 RN15.1
IO1_16P: CON3.43 RN15.2
IO1_17N: CON3.37 RN17.1
IO1_17P: CON3.35 RN17.2
IO2_1N: CON2.13 RN2.3
IO2_1P: CON2.11 RN2.4
IO2_2N: CON2.18 RN2.1
IO2_2P: CON2.16 RN2.2
IO2_3N: CON2.28 RN4.3
IO2_3P: CON2.26 RN4.4
IO2_4N: CON2.34 RN4.1
IO2_4P: CON2.32 RN4.2
IO2_5N: CON2.38 RN6.3
IO2_5P: CON2.36 RN6.4
IO2_6N: CON2.44 RN6.1
IO2_6P: CON2.42 RN6.2
IO2_7N: CON2.48 RN8.3
IO2_7P: CON2.46 RN8.4
IO2_8N: CON2.54 RN8.1
IO2_8P: CON2.52 RN8.2
IO2_9N: CON2.58 RN10.3
IO2_9P: CON2.56 RN10.4
IO2_10N: CON2.64 RN10.1
IO2_10P: CON2.62 RN10.2
IO2_11N: CON2.63 RN12.3
IO2_11P: CON2.61 RN12.4
IO2_12N: CON2.68 RN12.1
IO2_12P: CON2.66 RN12.2
IO2_13N: CON2.78 RN14.3
IO2_13P: CON2.76 RN14.4
IO2_14N: CON2.74 RN14.1
IO2_14P: CON2.72 RN14.2
IO2_15N: CON2.67 RN16.3
IO2_15P: CON2.65 RN16.4
IO2_16N: CON2.73 RN16.1
IO2_16P: CON2.71 RN16.2
IO2_17N: CON2.77 RN18.1
IO2_17P: CON2.75 RN18.2
OTG_CLK: CON1.52 R37.1
OTG_D_N: R150.1 U7.19(DM)
OTG_D_P: R151.1 U7.18(DP)
OTG_DATA0: CON1.56 U7.3(DATA0)
OTG_DATA1: CON1.58 U7.4(DATA1)
OTG_DATA2: CON1.62 U7.5(DATA2)
OTG_DATA3: CON1.64 U7.6(DATA3)
OTG_DATA4: CON1.66 U7.7(DATA4)
OTG_DATA5: CON1.68 U7.9(DATA5)
OTG_DATA6: CON1.72 U7.10(DATA6)
OTG_DATA7: CON1.74 U7.13(DATA7)
OTG_DIR: CON1.48 U7.31(DIR)
OTG_ID: R162.1 U7.23(ID)
OTG_NXT: CON1.54 U7.2(NXT)
OTG_RESET: CON1.33 D2.1(CATHODE) D3.1(CATHODE)
OTG_STP: CON1.46 U7.29(STP)
PHY1_ADVDDL: C1485.1 C1486.1 C1488.1 L64.2 U6.3(AVDDL1) U6.8(AVDDL2) U6.38(AVDDL3)
PHY1_AVDD33: C1490.1 C1491.1 L63.2 U6.11(AVDD33_1) U6.40(AVDD33_2)
PHY1_DVDDL: C1483.1 C1484.1 C1487.1 L62.2 L64.1 U6.21(DVDDL)
PHY1_ENB_LDO: R1028.1 U6.32(LED0/ENB_LDO)
PHY1_ETH_RXD2: RN19.7 U6.23(RXD2)
PHY1_INT_N: R1025.2 U6.31(INTB/WOL)
PHY1_IODVDD: C1492.1 C1493.1 L65.2 R1026.2 R1027.2 R1038.2 R1039.2 R1040.2 U6.28(IODVDD)
PHY1_LED1: J4.14(LD2_A) R1030.1 U6.33(LED1/V_SEL0)
PHY1_LED2: R1029.1 R1035.2 U6.34(LED2/V_SEL1)
PHY1_MDC: CON1.42 U6.13(MDC)
PHY1_MDI0_N: J4.P3(TRD0-) U6.2(MDI_A_N)
PHY1_MDI0_P: J4.P2(TRD0+) U6.1(MDI_A_P)
PHY1_MDI1_N: J4.P7(TRD1-) U6.5(MDI_B_N)
PHY1_MDI1_P: J4.P4(TRD1+) U6.4(MDI_B_P)
PHY1_MDI2_N: J4.P6(TRD2-) U6.7(MDI_C_N)
PHY1_MDI2_P: J4.P5(TRD2+) U6.6(MDI_C_P)
PHY1_MDI3_N: J4.P9(TRD3-) U6.10(MDI_D_N)
PHY1_MDI3_P: J4.P8(TRD3+) U6.9(MDI_D_P)
PHY1_MDIO: CON1.44 R1027.1 U6.14(MDIO)
PHY1_REGOUT: L62.1 U6.30(REG_OUT)
PHY1_RESET: CON1.31 D35.1(CATHODE)
PHY1_RSET: R1033.2 U6.39(RSET)
PHY1_RXC_ADR1: R1031.1 R1041.2 U6.27(RXC/ADR1)
PHY1_RXCK: CON1.38 R1031.2
PHY1_RXCTL: CON1.36 R1032.2
PHY1_RXCTL_ADR2: R1032.1 R1042.2 U6.26(RXCTL/ADR2)
PHY1_RXD0: CON1.34 RN19.4
PHY1_RXD0_RXDLY: R1036.2 R1039.1 RN19.5 U6.25(RXD0/RXDLY)
PHY1_RXD1: CON1.32 RN19.3
PHY1_RXD1_TXDLY: R1037.2 R1038.1 RN19.6 U6.24(RXD1/TXDLY)
PHY1_RXD2: CON1.28 RN19.2
PHY1_RXD3: CON1.26 RN19.1
PHY1_RXD3_ADR0: R1040.1 RN19.8 U6.22(RXD3/ADR0)
PHY1_TXCK: CON1.22 U6.20(TXC)
PHY1_TXCTL: CON1.24 U6.19(TXCTL)
PHY1_TXD0: CON1.12 U6.18(TXD0)
PHY1_TXD1: CON1.14 U6.17(TXD1)
PHY1_TXD2: CON1.16 U6.16(TXD2)
PHY1_TXD3: CON1.18 U6.15(TXD3)
PHY2_ADVDDL: C1495.1 C1497.1 C1509.1 L68.2 U10.3(AVDDL1) U10.8(AVDDL2) U10.38(AVDDL3)
PHY2_AVDD33: C1499.1 C1500.1 L67.2 U10.11(AVDD33_1) U10.40(AVDD33_2)
PHY2_DVDDL: C1496.1 C1507.1 C1508.1 L66.2 L68.1 U10.21(DVDDL)
PHY2_ENB_LDO: R1045.1 U10.32(LED0/ENB_LDO)
PHY2_ETH_RXD2: RN20.7 U10.23(RXD2)
PHY2_INT_N: R1061.2 U10.31(INTB/WOL)
PHY2_IODVDD: C1501.1 C1502.1 L69.2 R1043.2 R1055.2 R1056.2 R1057.2 R1060.2 U10.28(IODVDD)
PHY2_LED1: J10.14(LD2_A) R1046.1 U10.33(LED1/V_SEL0)
PHY2_LED2: J10.11(LD1_A) R1047.1 U10.34(LED2/V_SEL1)
PHY2_MDC: CON3.3 U10.13(MDC)
PHY2_MDI0_N: J10.P3(TRD0-) U10.2(MDI_A_N)
PHY2_MDI0_P: J10.P2(TRD0+) U10.1(MDI_A_P)
PHY2_MDI1_N: J10.P7(TRD1-) U10.5(MDI_B_N)
PHY2_MDI1_P: J10.P4(TRD1+) U10.4(MDI_B_P)
PHY2_MDI2_N: J10.P6(TRD2-) U10.7(MDI_C_N)
PHY2_MDI2_P: J10.P5(TRD2+) U10.6(MDI_C_P)
PHY2_MDI3_N: J10.P9(TRD3-) U10.10(MDI_D_N)
PHY2_MDI3_P: J10.P8(TRD3+) U10.9(MDI_D_P)
PHY2_MDIO: CON3.1 R1043.1 U10.14(MDIO)
PHY2_REGOUT: L66.1 U10.30(REG_OUT)
PHY2_RESET: C1510.1 CON3.2 R1060.1 U10.12(RSTN)
PHY2_RSET: R1050.2 U10.39(RSET)
PHY2_RXC_ADR1: R1048.1 R1058.2 U10.27(RXC/ADR1)
PHY2_RXCK: CON3.5 R1048.2
PHY2_RXCTL: CON3.7 R1049.2
PHY2_RXCTL_ADR2: R1049.1 R1059.2 U10.26(RXCTL/ADR2)
PHY2_RXD0: CON3.11 RN20.4
PHY2_RXD0_RXDLY: R1054.2 R1055.1 RN20.5 U10.25(RXD0/RXDLY)
PHY2_RXD1: CON3.13 RN20.3
PHY2_RXD1_TXDLY: R1053.2 R1056.1 RN20.6 U10.24(RXD1/TXDLY)
PHY2_RXD2: CON3.15 RN20.2
PHY2_RXD3: CON3.17 RN20.1
PHY2_RXD3_ADR0: R1057.1 RN20.8 U10.22(RXD3/ADR0)
PHY2_TXCK: CON3.23 U10.20(TXC)
PHY2_TXCTL: CON3.21 U10.19(TXCTL)
PHY2_TXD0: CON3.33 U10.18(TXD0)
